# Allegro board A527_draft_V1_0.brd (continued)
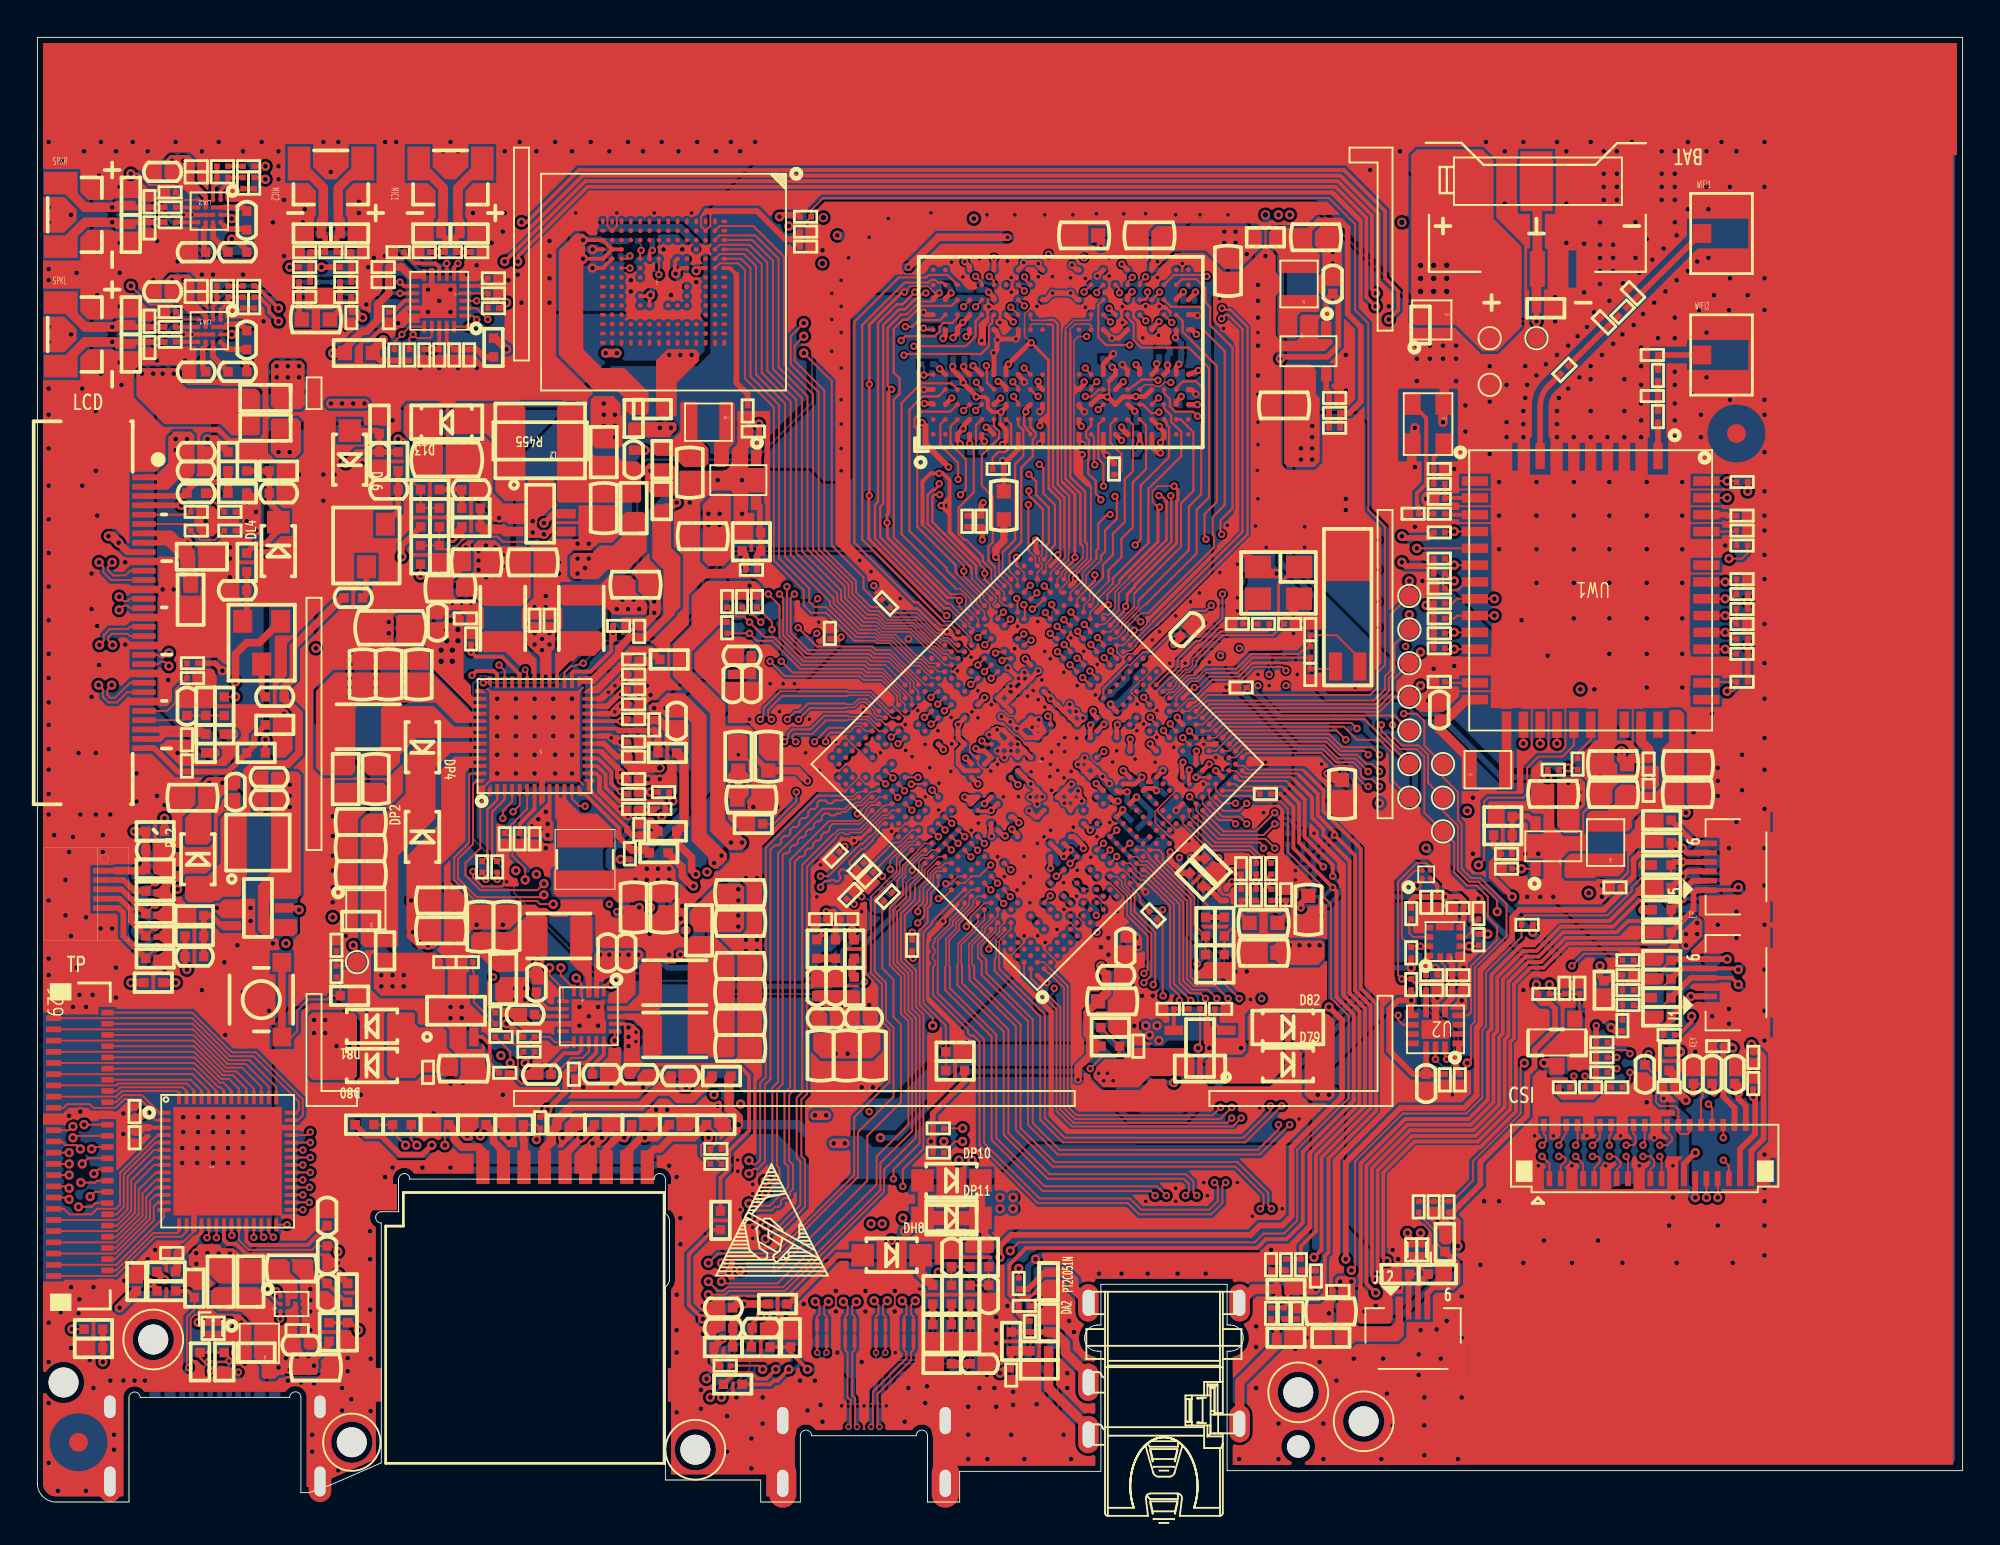
[diagram p0: board, top side]
## Routing (per net, layer and track width the routed paths; a pad name or vN(x,y) marks a point on that pad's centre or on a via; arc(x,y) is an arc through that point) (continued)
SAA1: length 9.8
  TOP w0.076: U1.AJ32 52.44,49.4 52,49.84 52,50.75
  TOP w0.114: UD1.J2 53.13,57.54 53.14,57.53 53.14,57.52 53.39,57.26 53.39,57.02 53.25,56.87 53.25,55.98 52.64,55.37 52.64,51.38 52,50.75
SAA2: length 18.5
  TOP w0.1: v1(52.4,48.36) 52.44,48.32 U1.AG30 ; v1(52.08,63.95) UD1.H9
  ART04 w0.114: v1(52.4,48.36) 52.4,48.41 51.72,49.08 51.72,51.51 51.18,52.05 51.18,58.66 51.15,58.69 51.15,59.25 51.42,59.52 51.59,59.52 51.8,59.73 51.8,60.22 52.43,60.85 52.43,60.85 52.64,61.06 52.64,61.06 52.78,61.2 52.78,63.25 52.67,63.36 52.67,63.36 52.4,63.63 52.39,63.63 v1(52.08,63.95)
SAA3: length 18.9
  TOP w0.1: v1(52.78,48.03) 52.83,47.98 52.83,47.32 U1.AG29
  TOP w0.114: UD1.H10 v1(52.8,64.03)
  ART04 w0.114: v1(52.78,48.03) 52.78,48.04 52.83,48.09 52.83,48.45 52,49.29 52,51.86 54,53.86 54,62.82 53.12,63.7 v1(52.8,64.03)
SAA4: length 19.2
  TOP w0.1: v1(52.8,64.83) UD1.H11
  TOP w0.114: U1.AJ30 53.15,48.34 v1(53.47,48.66)
  ART04 w0.076: 52.75,52.09 52.75,48.95 53.04,48.66
  ART04 w0.114: 52.75,52.09 54.37,53.71 54.37,63.63 53.17,64.83 v1(52.8,64.83) ; 53.04,48.66 v1(53.47,48.66)
SAA5: length 19.2
  TOP w0.114: v1(53.12,49.07) 52.79,48.75 U1.AJ31 ; v1(52.81,65.58) 52.81,65.46 UD1.J11
  ART04 w0.076: 53.05,51.77 53.05,49.13 v1(53.12,49.07)
  ART04 w0.114: v1(52.81,65.58) 52.9,65.58 54.74,63.73 54.74,53.46 53.05,51.77
SAB0: length 13
  TOP w0.114: v1(54.56,46.87) 54.86,46.57 U1.AJ25 ; v1(57.04,54.38) 57.04,55.57 56.76,55.85 56.76,57.68 UD1.R2
  ART04 w0.076: v1(54.56,46.87) 54.56,47.36 54.78,47.58 54.78,47.99 55.33,48.54 55.33,48.76 55.88,49.32 55.88,51.11
  ART04 w0.114: 55.88,51.11 57.01,52.24 57.01,53.15 57.27,53.41 57.27,54.15 v1(57.04,54.38)
SAB1: length 13.5
  TOP w0.114: v1(54.18,46.49) 54.46,46.22 U1.AH25 ; UD1.P2 56.38,57.61 56.11,57.34 56.11,57 56.25,56.86 56.25,55.81 56.21,55.77 56.21,55.07 56.62,54.66 56.62,53.97 56.89,53.7 v1(56.89,53.65)
  ART04 w0.076: v1(54.18,46.49) 54.18,47.28 54.6,47.7 54.6,48.08 55.14,48.62 55.14,50.89 55.25,50.99
  ART04 w0.114: 55.25,50.99 56.64,52.38 56.64,53.37 56.89,53.63 v1(56.89,53.65)
SAB2: length 19.2
  TOP w0.1: v1(57.41,63.17) UD1.R9
  TOP w0.114: v1(55.3,47.64) 55.3,47.6 U1.AL25
  ART04 w0.076: 56.3,50.48 56.24,50.41 56.24,49.16 55.78,48.71 55.78,48.12 v1(55.3,47.64)
  ART04 w0.114: 56.3,50.48 59.06,53.24 59.06,56.05 59.34,56.33 59.34,57.23 59.14,57.43 59.14,61.8 58.48,62.46 58.12,62.46 v1(57.41,63.17)
SAB3: length 20.8
  TOP w0.114: v1(58.44,61.93) 57.17,61.93 56.76,62.35 56.76,64.08 UD1.R10 ; v1(54.92,47.23) 55.22,46.92 U1.AK25
  ART04 w0.076: v1(54.92,47.23) 54.96,47.27 54.96,47.91 55.53,48.48 55.53,48.71 56.06,49.24 56.06,50.76 56.15,50.85
  ART04 w0.114: 56.15,50.85 58.47,53.16 58.47,58.03 58.35,58.15 58.35,59.45 58.5,59.6 58.5,60.4 58.42,60.49 58.42,61.91 v1(58.44,61.93)
SAB4: length 20.6
  TOP w0.1: UD1.R11 56.68,64.8 v1(56.68,64.74) ; U1.AJ27 53.94,47.54 53.94,47.6 v1(53.92,47.61)
  ART04 w0.076: v1(53.92,47.61) 53.92,48.2 54.62,48.9
  ART04 w0.114: v1(56.68,64.74) 56.68,64 55.6,62.93 55.6,59.8 55.8,59.6 56.25,59.6 56.51,59.34 56.51,58.96 56.39,58.84 56.39,55.87 55.86,55.35 55.86,52.7 54.23,51.07 54.23,50.33 54.62,49.94 54.62,48.9
SAB5: length 17.9
  TOP w0.1: v1(56,64.77) UD1.P11
  TOP w0.114: U1.AL29 v1(53.87,49.03)
  ART04 w0.114: v1(53.87,49.03) 53.58,49.32 53.58,51.13 53.86,51.41 53.86,51.77 55.12,53.03 55.12,63.9 v1(56,64.77)
SCKE0-A: length 10.9
  TOP w0.076: U1.AM31 53.96,49.86 53.96,50.21 54.1,50.36 54.1,50.36 54.25,50.51 54.25,51.04
  TOP w0.114: 54.25,51.04 54.44,51.23 54.44,53.37 53.82,53.99 53.82,55.33 v1(53.6,55.55) ; UD1.J4 53.49,59.18 v1(53.54,59.18)
  ART04 w0.114: v1(53.54,59.18) 53.54,58.87 53.25,58.58 53.25,55.9 v1(53.6,55.55)
SCKE0-B: length 13.2
  TOP w0.076: U1.AN27 56.11,49.18 56.11,49.61 56.26,49.76 56.26,49.76 56.44,49.94 56.44,49.94 56.9,50.4
  TOP w0.1: UD1.P4 56.38,59.67 v1(56.68,59.97)
  TOP w0.114: 56.9,50.4 56.9,50.66 57.12,50.88 57.12,52.01 57.75,52.64 57.75,53.73 v1(57.65,53.83)
  ART04 w0.114: v1(57.65,53.83) 57.67,53.84 57.67,56.11 57.2,56.57 57.2,58.6 56.82,58.98 56.82,59.82 v1(56.68,59.97)
SCKE1-A: length 13.3
  TOP w0.076: 53.75,51.28 53.75,50.71 53.6,50.56 53.6,50.36 53.75,50.21 53.75,50 53.5,49.75 U1.AL31
  TOP w0.1: v1(52.79,60.7) 53.13,60.37 UD1.J5
  TOP w0.114: 53.75,51.28 53.8,51.32 53.8,53.14 53.04,53.89 v1(53.04,54.12)
  ART04 w0.114: v1(52.79,60.7) 53.17,60.32 53.17,59.49 53.08,59.4 53.08,59.03 52.76,58.71 52.73,58.71 52.53,58.5 52.53,58.21 52.55,58.19 52.55,58.1 52.75,57.89 52.75,55.86 53.44,55.17 53.44,54.52 v1(53.04,54.12)
SCKE1-B: length 15.2
  TOP w0.076: 56.66,50.49 55.92,49.76 55.92,49.35 55.27,48.69 U1.AM27
  TOP w0.1: UD1.P5 56.07,60.66 v1(56.07,60.7)
  TOP w0.114: 56.66,50.49 56.66,50.93 56.76,51.03 56.76,52.38 57.24,52.86 v1(57.39,52.86)
  ART04 w0.114: v1(57.39,52.86) 57.42,52.89 57.42,53.04 58.1,53.72 58.1,56.19 57.57,56.72 57.57,58.17 57.6,58.2 57.6,59.55 56.45,60.7 v1(56.07,60.7)
SCKN-A: length 15.6
  TOP w0.076: UD1.J9 53.13,63.34 53.21,63.25 54.03,63.25 54.06,63.28 54.08,63.28 ; 55.2,51.07 55.18,51.04 55.18,50.44 54.56,49.82 U1.AN30
  TOP w0.127: 54.08,63.28 54.36,63.28 54.59,63.05 54.59,54.47 55.2,53.85 55.2,51.07
SCKN-B: length 16.1
  TOP w0.076: UD1.P9 56.38,63.33 56.3,63.25 55.44,63.25 55,62.82 55,62.64 ; U1.AN29 54.99,49.47 54.99,49.68 55.29,49.99 55.37,49.99 55.56,50.17 55.56,50.17 55.95,50.56 55.95,51.14 55.92,51.16
  TOP w0.127: 55.92,51.16 55.8,51.29 55.8,53.98 55,54.77 55,62.64
SCKP-A: length 15.6
  TOP w0.076: 54.95,51.07 54.95,51.06 54.97,51.03 54.97,50.52 54.21,49.75 U1.AM30 ; 54.08,63.03 54.06,63.03 54.03,63.05 53.2,63.05 53.13,62.97 UD1.J8
  TOP w0.127: 54.95,51.07 54.95,53.75 54.33,54.36 54.33,62.95 54.26,63.03 54.08,63.03
SCKP-B: length 16.9
  TOP w0.076: U1.AM28 54.85,48.63 54.76,48.63 54.7,48.69 54.7,48.83 55.19,49.32 55.19,49.6 55.38,49.78 55.46,49.78 55.57,49.9 55.64,49.97 55.64,49.97 56.15,50.48 56.15,51.29 ; UD1.P8 56.38,62.97 56.3,63.05 55.53,63.05 55.26,62.78 55.26,62.53
  TOP w0.127: 56.15,51.29 56.05,51.39 56.05,54.08 55.26,54.87 55.26,62.53
SCS0-A: length 11.2
  TOP w0.076: U1.AN32 53.99,50.6 53.99,51.21
  TOP w0.114: UD1.H4 52.48,59.67 52.19,59.96 v1(52.19,59.96) ; v1(53.04,55.01) 53.44,54.62 53.44,53.91 54.11,53.23 54.11,51.33 53.99,51.21
  ART04 w0.114: v1(52.19,59.96) 52.6,59.55 52.6,59.02 52.24,58.66 52.24,57.73 52.39,57.59 52.39,55.67 v1(53.04,55.01)
SCS0-B: length 14.8
  TOP w0.1: v1(56.07,59.18) 56.42,59.18 56.79,59.55 UD1.R4
  TOP w0.114: U1.AK29 53.85,48.34 53.31,47.8 v1(53.23,47.8)
  ART04 w0.114: v1(53.23,47.8) 53.32,47.89 53.32,47.98 54.26,48.92 54.26,49.76 53.98,50.05 53.98,51.16 54.2,51.38 54.2,51.56 55.49,52.85 55.49,58.6 v1(56.07,59.18)
SCS1-A: length 10.4
  TOP w0.076: 53.02,50.94 53.4,50.56 53.4,50.21 U1.AM32
  TOP w0.114: v1(52.23,59.18) 52.23,59.1 52.48,58.86 UD1.H3 ; 53.02,50.94 v1(53.02,53.39)
  ART04 w0.114: v1(52.23,59.18) 51.92,58.87 51.92,56.82 52,56.74 52,54.4 v1(53.02,53.39)
SCS1-B: length 12.5
  TOP w0.1: v1(54.26,48.04) 54.26,47.93 U1.AK27
  TOP w0.114: v1(56.75,58.47) UD1.R3
  ART04 w0.076: v1(54.26,48.04) 54.96,48.74 54.96,51.23
  ART04 w0.114: v1(56.75,58.47) 56.83,58.39 56.83,55.82 56.94,55.72 56.94,55.12 56.24,54.42 56.24,52.51 54.96,51.23
SDC0-CLK: length 42.7
  TOP w0.1: v2(37.6,12.4) 39.6,12.4 44.4,17.2 44.4,19.6 46.2,21.4 46.2,25.57 45.8,25.97 45.8,27.97 45.2,28.57 45.2,32.1 RC1.2
  TOP w0.4: DC3.2 29.8,20.1 29.2,19.5 v2(29.1,19.5) 28.23,18.63 JC1.5
  ART04 w0.1: v2(37.6,12.4) 37.6,12.7 36.1,14.2 36.1,18.2 33.9,20.4 30,20.4 v2(29.1,19.5)
SDC0-CMD: length 50.5
  TOP w0.076: 46.3,33 46.3,33.33 46.44,33.47 46.44,33.99 47.35,34.9 U1.B19
  TOP w0.1: DC6.2 26.7,20.2 RC4.1 26.9,19.6 v2(26.7,19.4) ; 46.3,33 46.3,32.5 45.6,31.8 45.6,28.73 46.2,28.13 46.2,26.13 46.6,25.73 46.6,20.2 44.9,18.5 44.9,17 39.6,11.7 36.7,11.7 v2(36.6,11.8)
  TOP w0.4: DC6.2 26,19.4 26.03,19.37 JC1.3
  ART04 w0.1: v2(26.7,19.4) 27.3,18.8 30.13,18.8 30.33,19 33.97,19 35.25,17.73 35.25,12.75 35.7,12.3 36.1,12.3 v2(36.6,11.8)
SDC0-D0: length 42.6
  TOP w0.076: U1.A20 46.13,34.26 46.13,33.66 44.8,32.33 44.8,32.3
  TOP w0.1: v2(36.6,12.8) 36.9,13.1 39.6,13.1 43.9,17.4 43.9,19.8 45.8,21.7 45.8,25.4 45.4,25.8 45.4,27.8 44.8,28.4 44.8,32.3
  TOP w0.4: JC1.7 30.43,18.93 31,19.5 v2(31.4,19.5) 31.8,19.9 DC2.2
  ART04 w0.1: v2(31.4,19.5) 31.8,19.9 33.67,19.9 35.7,17.88 35.7,13.7 v2(36.6,12.8)
SDC0-D1: length 42.6
  TOP w0.076: U1.B20 47.06,35.18 46.68,35.18 45.97,34.47 45.97,33.72 45.75,33.5 45.69,33.5 44.59,32.4
  TOP w0.1: v2(35.9,12.8) 36.4,13.3 39.5,13.3 43.7,17.5 43.7,20.6 45.59,22.49 45.59,25.31 45.19,25.71 45.19,27.71 44.59,28.31 44.59,32.4
  TOP w0.4: JC1.8 31.53,18.73 32.3,19.5 v2(32.5,19.5) 33.1,19.5 DC1.2
  ART04 w0.1: v2(35.9,12.8) 35.47,13.23 35.47,17.82 33.78,19.51 32.51,19.51 v2(32.5,19.5)
SDC0-D2: length 56.5
  TOP w0.076: 46.7,32.9 46.7,33.04 47.31,33.66 47.31,34.02 U1.A18
  TOP w0.1: v2(35.9,11.1) 36.8,11.1 37,11.3 40,11.3 45.3,16.6 45.3,17.8 47,19.5 47,25.9 46.6,26.3 46.6,28.29 46,28.89 46,31.6 46.7,32.3 46.7,32.9 ; v2(21.8,19.1) 21.8,20 DC8.2
  TOP w0.4: DC8.2 22.3,19.9 22.3,19.4 22.7,19 23.6,19 23.83,18.77 JC1.1
  ART04 w0.1: v2(35.9,11.1) 34.8,12.2 34.8,17.59 33.79,18.6 30.5,18.6 30.3,18.4 22.5,18.4 v2(21.8,19.1)
SDC0-D3: length 53.7
  TOP w0.076: U1.B18 47.76,34.47 47.37,34.47 47.15,34.25 47.15,33.72 46.85,33.42 46.79,33.42 46.48,33.12 46.48,32.92
  TOP w0.1: DC7.2 23.7,19.9 v2(23.7,19.6) ; 46.48,32.92 46.48,32.38 45.8,31.7 45.8,28.81 46.4,28.21 46.4,26.22 46.8,25.82 46.8,19.85 45.1,18.15 45.1,16.7 39.9,11.5 36.9,11.5 36.7,11.3 36.4,11.3 v2(35.9,11.8)
  TOP w0.4: DC7.2 24.4,19.8 24.4,19.3 24.93,18.77 JC1.2
  ART04 w0.1: v2(23.7,19.6) 24.7,18.6 30.22,18.6 30.42,18.8 33.87,18.8 35.02,17.65 35.02,12.48 35.7,11.8 v2(35.9,11.8)
SDC0-DET: length 33
  TOP w0.1: v2(35.9,19.5) 35.5,19.1 35.5,18.6 RC5.1
  TOP w0.114: v1(48.2,35.62) 48.19,35.62 U1.D20
  ART03 w0.1: v2(35.9,19.5) 36.18,19.78 38.83,19.78 38.92,19.7 40.5,19.7 42.1,18.1 47.3,18.1 v2(48.5,19.3)
  ART04 w0.1: v1(48.2,35.62) 47.8,35.21 47.8,30.7 48.5,30 v2(48.5,19.3)
SDIO-VSEL: length 1.6
  TOP w0.1: UW1.24 75.35,43.85 RW23.2
SDQ0: length 18.6
  TOP w0.114: v1(50.23,59.94) 50.23,59.94 50.25,59.92 50.25,59.86 50.53,59.59 UD1.E4 ; U1.AE28 52.53,46.22 v1(52.77,46.47)
  ART04 w0.114: v1(52.77,46.47) 52,46.47 50.38,48.08 50.38,48.46 49.18,49.65 49.18,50.39 47.41,52.16 47.41,53.65 47.03,54.04 47.03,56.2 48.31,57.48 48.31,57.94 48.93,58.55 48.94,58.55 50.23,59.85 v1(50.23,59.94)
SDQ1: length 22.3
  TOP w0.114: v1(50.77,60.83) 50.78,60.82 50.78,60.73 50.8,60.72 50.8,59.93 51.17,59.55 UD1.F4 ; U1.AE27 53.02,46.09 53.12,46.09 v1(53.16,46.13)
  ART04 w0.114: v1(53.16,46.13) 53.12,46.09 52.01,46.09 50.06,48.04 50.06,48.44 48.93,49.58 48.93,50.05 46.88,52.1 46.88,53.41 46.61,53.68 46.61,56.38 47.82,57.59 47.82,58.71 49.43,60.32 50.26,60.32 v1(50.77,60.83)
SDQ2: length 11.2
  TOP w0.076: 51.04,49.91 51.04,49.39 51.73,48.69 U1.AG32
  TOP w0.114: 51.04,49.91 50.58,50.37 50.58,50.62 49.69,51.5 49.59,51.5 49.28,51.81 49.28,53.22 50.1,54.04 50.1,56.41 50.21,56.52 50.21,57.64 UD1.E2
SDQ3: length 10.1
  TOP w0.076: U1.AH33 51.23,49.55 51.23,50.04
  TOP w0.114: 51.23,50.04 50.88,50.39 50.88,51.15 51.11,51.37 51.11,53.82 50.52,54.41 50.52,56.03 51.45,56.95 51.45,57.32 51.18,57.59 UD1.F2
SDQ4: length 13.4
  TOP w0.114: U1.AE30 51.73,46.93 v1(52.06,47.26) ; UD1.B2 48.31,57.68 48.31,56.57 49.26,55.62 v1(49.26,54.74)
  ART04 w0.114: v1(52.06,47.26) 51.52,47.26 51.24,47.54 51.24,47.93 50,49.16 50,50.21 48.9,51.31 48.9,54.38 v1(49.26,54.74)
SDQ5: length 15.2
  TOP w0.076: 49.08,49.45 50.24,48.29 50.24,48.06 50.67,47.63 U1.AD32
  TOP w0.114: UD1.B4 48.2,59.18 47.36,59.18 46.65,58.47 46.65,51.98 48.65,49.98 48.65,49.88 49.08,49.45
SDQ6: length 12.4
  TOP w0.114: UD1.C2 48.85,57.58 48.85,56.64 49.68,55.81 49.68,54.21 v1(49.39,53.92) ; v1(51.68,47.63) 51.38,47.33 U1.AE31
  ART04 w0.114: v1(51.68,47.63) 51.68,47.81 50.33,49.17 50.33,50.65 49.39,51.59 v1(49.39,53.92)
SDQ7: length 16.6
  TOP w0.076: 49.16,48.88 49.38,48.88 49.94,48.32 49.94,48.01 U1.AD33
  TOP w0.114: 49.16,48.88 46.24,51.8 46.24,58.83 47.28,59.88 48.9,59.88 UD1.C4
SDQ8: length 24.7
  TOP w0.114: v1(51.61,45.05) 51.72,45.16 U1.AC27 ; UD1.E9 50.2,63.22 50.2,62.4 49.67,61.87 v1(46.9,61.87)
  ART04 w0.076: v1(51.61,45.05) 51.61,46.09
  ART04 w0.114: 51.61,46.09 49.82,47.88 49.82,48.33 48.51,49.64 48.51,49.87 46.34,52.05 46.34,53.36 46.19,53.51 46.19,56.56 46.49,56.86 46.49,60.8 46.5,60.82 46.5,60.82 46.9,61.21 v1(46.9,61.87)
SDQ9: length 25.5
  TOP w0.114: v1(51.26,45.44) 51.33,45.51 U1.AC28 ; v1(46.36,61.39) 46.43,61.45 50.49,61.45 50.91,61.87 50.91,62.95 51.09,63.13 51.09,63.46 UD1.F9
  ART04 w0.076: v1(51.26,45.44) 51.26,45.86 48.9,48.22 48.9,48.35
  ART04 w0.114: v1(46.36,61.39) 46.07,61.09 46.07,57.03 45.77,56.73 45.77,53.32 45.88,53.21 45.88,51.86 48.9,48.83 48.9,48.35
SDQ10: length 23.8
  TOP w0.076: v1(50.69,45.89) 51.02,46.22 U1.AC30
  TOP w0.114: UD1.B9 48.29,63.27 47.15,63.27 46.79,62.91 v1(46.44,62.91)
  ART04 w0.076: v1(50.69,45.89) 50.43,45.89 50.39,45.93 50.16,45.93 49.97,46.12 49.97,46.62 48.74,47.85 48.69,47.85
  ART04 w0.114: v1(46.44,62.91) 45.92,62.91 44.9,61.89 44.9,53.44 44.65,53.19 44.65,51.9 48.69,47.85
SDQ11: length 23.2
  TOP w0.114: U1.AC31 50.62,46.57 v1(50.32,46.27) ; UD1.C9 49.23,63.39 48.95,63.12 48.47,63.12 48.27,62.91 48.27,62.66 48.01,62.4 46.44,62.4 v1(46.21,62.17)
  ART04 w0.076: v1(50.32,46.27) 50.32,46.54 48.62,48.23
  ART04 w0.114: 48.62,48.23 48.62,48.51 45.06,52.07 45.06,52.96 45.09,52.99 45.09,53 45.31,53.22 45.31,61.71 45.88,62.28 46.11,62.28 v1(46.21,62.17)
SDQ12: length 26.1
  TOP w0.076: U1.AA33 48.91,46.92 48.35,46.92
  TOP w0.114: 48.35,46.92 47.11,48.16 46.91,48.16 43.71,51.35 43.71,63.17 46.09,65.55 47.56,65.55 47.69,65.68 48.69,65.68 UD1.C11
SDQ13: length 25.4
  TOP w0.076: 48.5,47.14 49.04,47.14 49.96,46.22 U1.AA31
  TOP w0.114: 48.5,47.14 47.21,48.43 47.21,48.45 44.13,51.53 44.13,63 46.4,65.27 47.67,65.27 47.82,65.42 48.04,65.42 48.19,65.27 48.46,65.27 UD1.B11
SDQ14: length 33.4
  TOP w0.1: U1.AA28 v1(50.67,44.45)
  TOP w0.114: v1(50.92,65.6) 51.18,65.35 UD1.F11
  ART04 w0.076: 48.35,46.94 48.81,46.94 49.01,46.74 49.01,46.48 49.93,45.56 50.09,45.56 50.7,44.95 50.7,44.48 v1(50.67,44.45)
  ART04 w0.114: 48.35,46.94 43.72,51.57 43.72,64.74 46.07,67.08 49.42,67.08 49.53,66.97 49.54,66.97 50.04,66.48 50.04,66.39 50.83,65.6 v1(50.92,65.6)
SDQ15: length 32.1
  TOP w0.1: U1.AA27 v1(51.03,44.1)
  TOP w0.114: UD1.E11 50.53,65.28 v1(50.2,65.61)
  ART04 w0.076: v1(51.03,44.1) 51.1,44.17 51.1,44.8 50.15,45.75 49.99,45.75 49.25,46.49 49.25,46.75 48.88,47.12 48.48,47.12 48.4,47.2
  ART04 w0.114: 48.4,47.2 47.96,47.64 47.96,47.92 44.14,51.74 44.14,64.5 46.26,66.62 48.07,66.62 48.7,65.99 49.82,65.99 v1(50.2,65.61)
SDQ16: length 11.5
  TOP w0.076: U1.AM25 55.98,47.63 55.98,47.98 56.29,48.3 56.29,48.76 57.01,49.47
  TOP w0.114: UD1.U2 58.61,57.67 58.61,55.19 58.17,54.75 58.17,52.47 57.54,51.83 57.54,50.71 57.01,50.17 57.01,49.47
SDQ17: length 11.3
  TOP w0.076: 57.31,49.29 56.5,48.47 56.5,48.15 U1.AN25
  TOP w0.114: 57.31,49.29 57.31,49.88 58,50.57 58,51.56 58.61,52.17 58.61,54.59 59.31,55.29 59.31,57.62 UD1.V2
SDQ18: length 19.7
  TOP w0.114: U1.AH23 55.27,45.56 54.96,45.87 54.96,45.87 v1(54.93,45.9) ; UD1.U4 58.37,59.55 59.09,60.08 59.91,60.08 v1(59.95,60.04)
  ART04 w0.076: 57.2,49.44 56.22,48.46 56.22,47.86 55.48,47.12 55.48,46.96 54.93,46.41 v1(54.93,45.9)
  ART04 w0.114: v1(59.95,60.04) 60.34,59.52 61.26,58.6 61.26,53.97 59.78,52.49 58.72,51.74 57.2,50.22 57.2,49.44
SDQ19: length 14
  TOP w0.114: UD1.Y2 60.4,57.83 60.4,57.7 60.55,57.55 60.55,55.93 59.02,54.41 59.02,51.52 v1(58.73,51.23) ; U1.AK23 55.98,46.22 55.66,46.53 v1(55.66,46.61)
  ART04 w0.076: v1(55.66,46.61) 55.66,47.08 56.41,47.83 56.41,48.27 57.47,49.33
  ART04 w0.114: v1(58.73,51.23) 58.73,51.16 57.47,49.9 57.47,49.33
SDQ20: length 18.3
  TOP w0.076: UD1.V4 59.23,59.8 59.73,59.8 59.8,59.73 60.08,59.73 60.29,59.93 v1(60.64,59.93)
  TOP w0.114: U1.AL23 56.33,46.66 v1(56.01,46.98)
  ART04 w0.076: 57.76,49.29 56.74,48.27 56.74,47.71 v1(56.01,46.98)
  ART04 w0.114: 57.76,49.29 57.76,49.59 59.79,51.62 59.79,51.91 61.68,53.79 61.68,59.1 61.62,59.16 61.62,59.27 60.95,59.93 v1(60.64,59.93)
SDQ21: length 14.1
  TOP w0.076: U1.AM22 57.39,46.57 57.82,47.01 57.82,47.07 58.68,47.92 58.68,48.64
  TOP w0.114: 58.68,48.64 61.18,51.14 61.18,53.46 61.85,54.12 61.85,57.26 61.16,57.95 UD1.AA2
SDQ22: length 16.8
  TOP w0.076: U1.AN21 58.01,46.84 58.01,47.04 58.83,47.86 58.83,47.88 58.91,47.95 58.91,48.26
  TOP w0.114: 58.91,48.26 61.6,50.95 61.6,53.29 62.26,53.95 62.26,57.66 62.42,57.81 62.42,59.56 61.98,59.99 61.3,59.99 60.93,59.62 UD1.AA4
SDQ23: length 19.4
  TOP w0.114: U1.AG21 55.25,44.82 v1(55.25,44.82) ; v1(62.07,58.13) 61.83,58.37 60.87,58.37 60.59,58.65 60.59,59.05 60.28,59.36 UD1.Y4
  ART04 w0.076: 57.99,49.22 56.95,48.19 56.95,47.42 55.25,45.72 v1(55.25,44.82)
  ART04 w0.114: v1(62.07,58.13) 62.11,58.08 62.11,53.58 60.21,51.68 60.21,51.45 57.99,49.22
SDQ24: length 24
  TOP w0.114: U1.AG19 55.97,44.1 55.96,44.1 v1(55.93,44.13) ; UD1.AA9 61.27,63.21 61.27,62.63 63.1,60.8 63.1,53.54 62.44,52.88 62.44,51.61 v1(62.51,51.54)
  ART04 w0.076: v1(55.93,44.13) 55.93,44.85 56.7,45.62 56.7,45.77 58.07,47.14
  ART04 w0.114: 58.07,47.14 58.24,47.14 59.31,48.21 59.35,48.21 62.45,51.32 62.45,51.38 62.51,51.44 v1(62.51,51.54)
SDQ25: length 27.1
  TOP w0.114: U1.AH19 56.68,44.11 v1(56.31,44.48) ; UD1.AA11 61.23,65.45 62.01,65.45 62.49,64.97 62.49,64.22 62.75,63.96 62.75,62.99 63.94,61.79 63.94,53.19 63.3,52.55 63.3,51.94 63.36,51.87 v1(63.36,51.8)
  ART04 w0.076: v1(56.31,44.48) 56.31,44.95 56.89,45.53 56.89,45.74 57.26,46.11 57.37,46.11 58.09,46.83 58.23,46.83
  ART04 w0.114: 58.23,46.83 59.1,47.7 59.42,47.7 59.64,47.92 59.64,47.92 62.93,51.2 62.93,51.21 63.36,51.64 v1(63.36,51.8)
SDQ26: length 29
  TOP w0.114: v1(57.07,45.19) 57.39,44.88 U1.AK19 ; UD1.V11 58.98,65.27 v1(59.29,65.58)
  ART04 w0.076: v1(57.07,45.19) 57.07,45.7 57.29,45.92 57.51,45.92 57.88,46.29
  ART04 w0.114: v1(59.29,65.58) 59.7,65.17 63.02,65.17 64.04,64.15 64.04,51.72 63.35,51.03 63.35,51.03 59.94,47.62 59.94,47.43 59.15,46.63 59.15,46.59 58.85,46.29 57.88,46.29
SDQ27: length 27.8
  TOP w0.114: UD1.Y11 60.81,65.68 62.49,65.68 v1(62.56,65.6) ; v1(57.42,45.56) 57.42,45.48 U1.AL19
  ART04 w0.114: v1(57.42,45.56) 57.47,45.56 57.93,46.02 58.89,46.02 60.19,47.32 60.24,47.32 64.46,51.54 64.46,64.32 63.18,65.6 v1(62.56,65.6)
SDQ28: length 23.1
  TOP w0.076: U1.AM21 57.74,46.22 58.2,46.68 58.2,47 59.25,48.05 59.29,48.05
  TOP w0.114: UD1.U9 58.33,63.41 58.65,63.08 58.65,62.19 59.05,61.8 61.6,61.8 62.68,60.71 62.68,53.77 62.02,53.11 62.02,50.78 59.29,48.05
SDQ29: length 26.7
  TOP w0.114: UD1.U11 58.33,65.3 v1(58.58,65.55) ; v1(56.72,46.27) 57.04,45.95 U1.AL21
  ART04 w0.076: 57.94,47.42 57.56,47.04 57.48,47.04 v1(56.72,46.27)
  ART04 w0.114: v1(58.58,65.55) 58.96,65.18 58.96,64.26 58.9,64.2 58.9,63.85 59.16,63.59 61.14,63.59 61.66,63.07 62.09,63.07 63.37,61.79 63.37,53.01 62.03,51.68 62.03,51.49 58.59,48.05 58.59,47.81 58.2,47.42 57.94,47.42
SDQ30: length 22.2
  TOP w0.1: UD1.Y9 v1(60.69,63.14)
  TOP w0.114: v1(56.37,45.9) 56.68,45.58 U1.AK21
  ART04 w0.076: v1(56.37,45.9) 56.37,46.4 56.59,46.63 56.69,46.63 57.87,47.81 57.87,48.12
  ART04 w0.114: v1(60.69,63.14) 62.95,60.88 62.95,53.19 61.45,51.68 61.45,51.5 58.4,48.45 58.2,48.45 57.87,48.12
SDQ31: length 24
  TOP w0.114: v1(59.3,63.23) UD1.V9 ; U1.AH21 55.98,44.8 55.98,44.85 55.66,45.17 v1(55.62,45.17)
  ART04 w0.076: v1(55.62,45.17) 55.62,45.75 56.16,46.29 56.16,46.41 56.57,46.82 56.63,46.82 57.65,47.84 57.65,48.34
  ART04 w0.114: 57.65,48.34 58.41,49.1 58.46,49.1 61.03,51.67 61.03,51.86 62.53,53.36 62.53,60.66 61.35,61.85 60.68,61.85 60.34,62.19 60.34,62.6 60.13,62.82 59.74,62.82 59.46,63.09 59.44,63.09 v1(59.3,63.23)
SDQM0: length 14.2
  TOP w0.076: U1.AE33 50.67,47.99 50.43,48.22 50.43,48.45 49.22,49.66
  TOP w0.114: 49.22,49.66 49.12,49.76 49.12,50.15 47.07,52.2 47.07,56.71 47.07,56.71 47.07,57.43 46.93,57.57 46.93,57.99 47.3,58.37 48.84,58.37 UD1.C3
SDQM1: length 22.4
  TOP w0.076: 48.93,48.59 49.45,48.59 49.67,48.37 49.67,47.92 50.32,47.28 U1.AC32
  TOP w0.114: 48.93,48.59 48.85,48.59 45.82,51.63 45.82,59.01 46.13,59.32 46.13,60.15 45.81,60.47 45.81,62.8 46.3,63.29 46.54,63.29 47.28,64.03 48.9,64.03 UD1.C10
SDQM2: length 13.9
  TOP w0.076: 57.54,49.14 56.75,48.36 56.75,48.05 56.58,47.88 56.33,47.63 U1.AM24
  TOP w0.114: 57.54,49.14 57.54,49.44 59.44,51.35 59.44,54.24 61.2,55.99 61.2,57.28 60.66,57.82 60.66,58.16 60.28,58.54 UD1.Y3
SDQM3: length 22.9
  TOP w0.076: U1.AN20 58.33,46.45 58.33,46.59 58.36,46.62 58.36,46.89 58.71,47.25 58.71,47.25 58.9,47.44 58.9,47.44 59.04,47.58 59.42,47.58
  TOP w0.114: 59.42,47.58 62.95,51.11 62.95,51.69 62.88,51.76 62.88,52.72 63.52,53.37 63.52,61.6 62.4,62.72 62.4,63.74 62.16,63.98 60.65,63.98 UD1.Y10
SDQS0N: length 14.4
  TOP w0.076: 49.97,49.73 49.99,49.7 49.99,49.42 51.03,48.39 U1.AF33
  TOP w0.097: UD1.E3 v1(50.2,58.43)
  TOP w0.127: 49.97,49.73 49.97,50.02 47.63,52.36 47.63,53.9 47.9,54.18 48.01,54.18 48.21,54.38 48.21,54.39 48.24,54.43 48.25,54.44 v1(48.25,54.51)
  ART04 w0.127: v1(48.25,54.51) 48.25,54.42 48.05,54.23 47.96,54.23 47.82,54.36 47.82,55.78 49.1,57.07 49.1,57.61 49.33,57.83 49.68,57.83 49.92,58.07 49.92,58.32 50.03,58.43 v1(50.2,58.43)
SDQS0P: length 14.7
  TOP w0.076: U1.AF32 51.32,47.92 51.21,47.92 51.15,47.99 51.15,48.1 51.29,48.25 51.29,48.43 51.13,48.59 51.13,48.59 50.22,49.49 50.22,49.73
  TOP w0.097: v1(49.55,58.43) UD1.D3
  TOP w0.127: 50.22,49.73 50.22,50.12 47.88,52.46 47.88,53.8 48.01,53.92 v1(48.27,53.92)
  ART04 w0.127: v1(49.55,58.43) 49.58,58.43 49.63,58.38 49.63,58.19 49.56,58.12 49.21,58.12 48.81,57.73 48.81,57.19 47.53,55.9 47.53,54.24 47.84,53.94 48.26,53.94 v1(48.27,53.92)
SDQS1N: length 26.1
  TOP w0.076: 48.76,47.85 49.61,46.99 49.61,46.92
  TOP w0.097: UD1.E10 50.53,64.31 v1(50.2,63.98)
  TOP w0.127: 48.76,47.85 48.53,47.85 44.81,51.56 44.81,53.39 44.97,53.55 44.97,63.11 45.98,64.11 46.29,64.11 v1(46.95,64.77)
  ART04 w0.127: v1(46.95,64.77) 47.02,64.83 47.02,65.16 47.32,65.45 49.07,65.45 50.08,64.45 50.08,64.1 v1(50.2,63.98)